# KiCad board hackrf-one.kicad_pcb (continued)
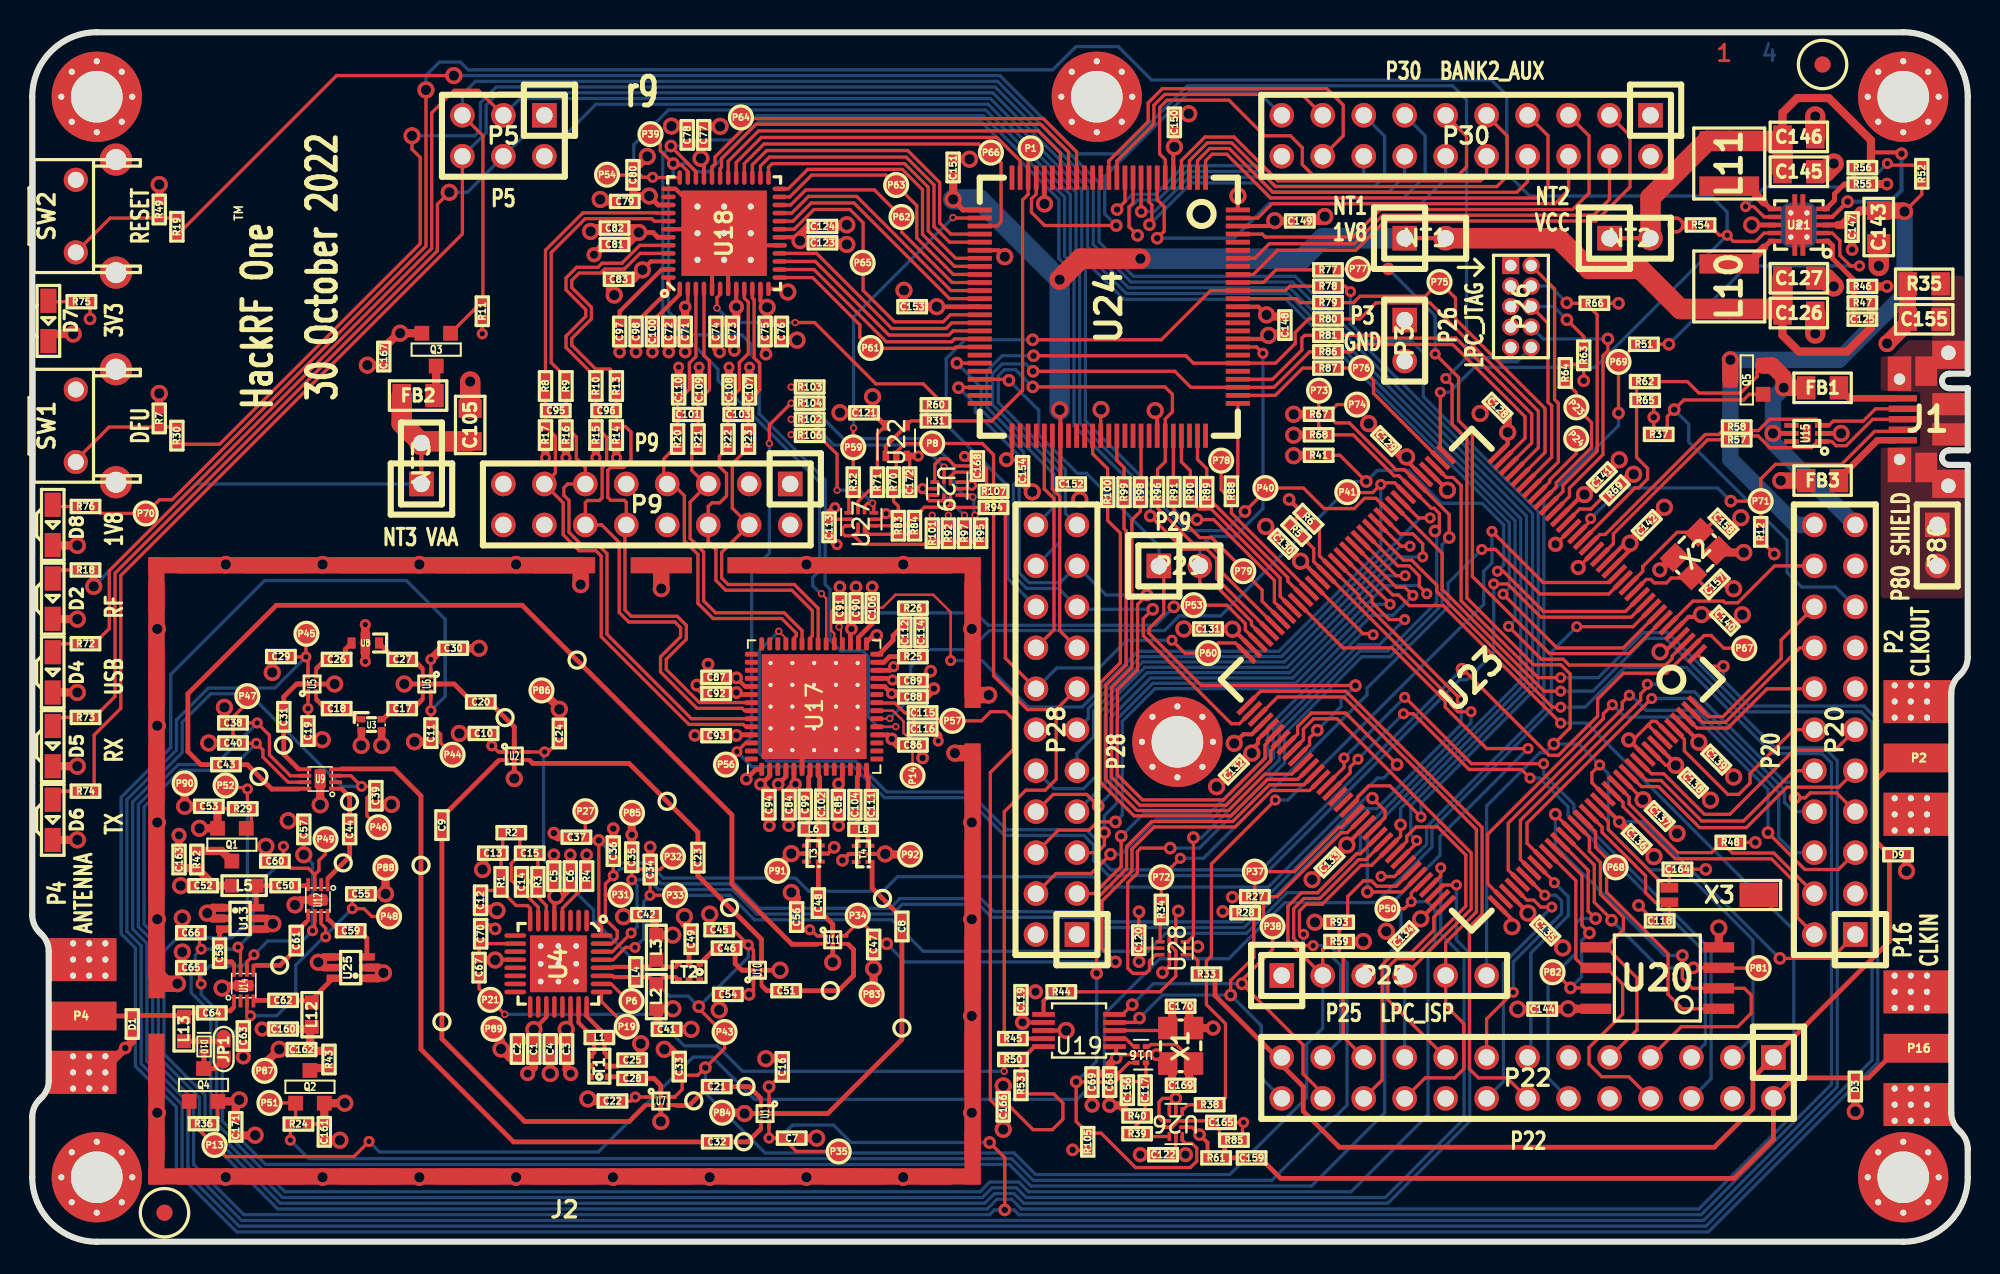
[diagram p0: board, top side]
## Nets (continued)
/Baseband/CPOUT+: C112.2 R25.1 U17.27
/Baseband/CPOUT-: C112.1 R26.1 U17.28
/Baseband/IA+: C101.1 C110.1 R20.1 U18.3
/Baseband/IA-: C101.2 C109.1 R21.1 U18.4
/Baseband/ID+: R13.1 U18.45
/Baseband/ID-: R10.1 U18.44
/Baseband/QA+: C103.2 C107.1 R23.1 U18.10
/Baseband/QA-: C103.1 C108.1 R22.1 U18.9
/Baseband/QD+: R8.1 U18.40
/Baseband/QD-: R9.1 U18.41
/Baseband/REFN: C98.1 U18.48
/Baseband/REFP: C100.1 U18.1
/Baseband/RXBBI+: P9.7 R22.2 U17.36
/Baseband/RXBBI-: P9.5 R23.2 U17.35
/Baseband/RXBBQ+: P9.6 R20.2 U17.38
/Baseband/RXBBQ-: P9.4 R21.2 U17.37
/Baseband/TXBBI+: C96.1 P9.12 R10.2 R15.1 U17.50
/Baseband/TXBBI-: C96.2 P9.10 R13.2 R14.1 U17.49
/Baseband/TXBBQ+: C95.2 P9.11 R9.2 R16.1 U17.51
/Baseband/TXBBQ-: C95.1 P9.13 R8.2 R17.1 U17.52
/Baseband/XCVR_CLKOUT: P14.1 U17.21
/Baseband/XTAL2: C115.2 C116.1 U17.22
/Clock/CLK0: R50.2 R53.2 U19.10
/Clock/CLK1: R45.2 U19.9
/Clock/CLK2: R44.1 U19.6
/Clock/XA: U16.4 U19.2
/Clock/XB: C170.2 U19.3 X1.3
/Front End/REF_IN: C67.2 C70.1 U4.10
/Front End/RX_AMP_IN: C58.1 U14.8
/Front End/RX_AMP_OUT: C50.2 U12.4
/Front End/TX_AMP_IN: C59.1 U12.8
/Front End/TX_AMP_OUT: C62.1 U14.4
/Microcontroller, CPLD, USB, Power/ADC0_0: P20.20 U23.6
/Microcontroller, CPLD, USB, Power/ADC0_2: P20.16 U23.143
/Microcontroller, CPLD, USB, Power/ADC0_5: P20.18 U23.144
/Microcontroller, CPLD, USB, Power/ADC0_6: P20.14 U23.142
/Microcontroller, CPLD, USB, Power/B1AUX13: P28.16 U24.55
/Microcontroller, CPLD, USB, Power/B1AUX14: P28.15 U24.56
/Microcontroller, CPLD, USB, Power/B2AUX1: P30.18 U24.13
/Microcontroller, CPLD, USB, Power/B2AUX2: P30.17 U24.12
/Microcontroller, CPLD, USB, Power/B2AUX3: P30.16 U24.11
/Microcontroller, CPLD, USB, Power/B2AUX4: P30.15 U24.10
/Microcontroller, CPLD, USB, Power/B2AUX5: P30.14 U24.9
/Microcontroller, CPLD, USB, Power/B2AUX6: P30.13 U24.8
/Microcontroller, CPLD, USB, Power/B2AUX7: P30.12 U24.7
/Microcontroller, CPLD, USB, Power/B2AUX8: P30.11 U24.6
/Microcontroller, CPLD, USB, Power/B2AUX9: P30.10 U24.4
/Microcontroller, CPLD, USB, Power/B2AUX10: P30.9 U24.3
/Microcontroller, CPLD, USB, Power/B2AUX11: P30.8 U24.2
/Microcontroller, CPLD, USB, Power/B2AUX12: P30.7 U24.1
/Microcontroller, CPLD, USB, Power/B2AUX13: P30.6 U24.99
/Microcontroller, CPLD, USB, Power/B2AUX14: P30.5 U24.97
/Microcontroller, CPLD, USB, Power/B2AUX15: P30.4 U24.94
/Microcontroller, CPLD, USB, Power/B2AUX16: P30.3 U24.92
/Microcontroller, CPLD, USB, Power/BANK2F3M1: R77.2 U24.91
/Microcontroller, CPLD, USB, Power/BANK2F3M2: P28.18 R78.2 U24.90
/Microcontroller, CPLD, USB, Power/BANK2F3M3: R79.2 U24.89
/Microcontroller, CPLD, USB, Power/BANK2F3M4: P28.22 R80.2 U24.81
/Microcontroller, CPLD, USB, Power/BANK2F3M5: R81.2 U24.79
/Microcontroller, CPLD, USB, Power/BANK2F3M6: P28.20 R86.2 U24.78
/Microcontroller, CPLD, USB, Power/BANK2F3M7: R87.2 U24.77
/Microcontroller, CPLD, USB, Power/BANK2F3M8: R88.2 U24.76
/Microcontroller, CPLD, USB, Power/BANK2F3M9: R89.2 U24.74
/Microcontroller, CPLD, USB, Power/BANK2F3M10: R90.2 U24.72
/Microcontroller, CPLD, USB, Power/BANK2F3M11: R91.2 U24.71
/Microcontroller, CPLD, USB, Power/BANK2F3M12: P28.21 R96.2 U24.70
/Microcontroller, CPLD, USB, Power/BANK2F3M14: R98.2 U24.67
/Microcontroller, CPLD, USB, Power/BANK2F3M15: R99.2 U24.64
/Microcontroller, CPLD, USB, Power/BANK2F3M16: R100.2 U24.61
/Microcontroller, CPLD, USB, Power/CPLD_TCK: P28.17 U23.74 U24.48
/Microcontroller, CPLD, USB, Power/CPLD_TDI: P28.19 U23.78 U24.45
/Microcontroller, CPLD, USB, Power/CPLD_TDO: P29.2 U23.69 U24.83
/Microcontroller, CPLD, USB, Power/CPLD_TMS: P29.1 U23.82 U24.47
/Microcontroller, CPLD, USB, Power/DBGEN: P23.1 R64.1 U23.28
/Microcontroller, CPLD, USB, Power/DM: R58.1 U23.20
/Microcontroller, CPLD, USB, Power/DP: R57.1 U23.18
/Microcontroller, CPLD, USB, Power/EN1V8: P70.1 R54.2 R76.2 U21.9 U23.37
/Microcontroller, CPLD, USB, Power/GCK0: P30.19 U24.22
/Microcontroller, CPLD, USB, Power/GPIO3_8: P20.5 U23.110
/Microcontroller, CPLD, USB, Power/GPIO3_9: P20.6 U23.113
/Microcontroller, CPLD, USB, Power/GPIO3_10: P20.7 U23.115
/Microcontroller, CPLD, USB, Power/GPIO3_11: P20.8 U23.117
/Microcontroller, CPLD, USB, Power/GPIO3_12: P20.9 U23.132
/Microcontroller, CPLD, USB, Power/GPIO3_13: P20.10 U23.133
/Microcontroller, CPLD, USB, Power/GPIO3_14: P20.11 U23.134
/Microcontroller, CPLD, USB, Power/GPIO3_15: P20.12 U23.140
/Microcontroller, CPLD, USB, Power/I2C1_SCL: P22.5 U23.88
/Microcontroller, CPLD, USB, Power/I2C1_SDA: P22.6 U23.87
/Microcontroller, CPLD, USB, Power/I2S0_RX_MCLK: P22.14 U23.73
/Microcontroller, CPLD, USB, Power/I2S0_RX_SCK: P22.12 U23.120
/Microcontroller, CPLD, USB, Power/I2S0_RX_SDA: P22.13 U23.116
/Microcontroller, CPLD, USB, Power/I2S0_RX_WS: P22.15 U23.114
/Microcontroller, CPLD, USB, Power/I2S0_TX_MCLK: P22.17 U23.99
/Microcontroller, CPLD, USB, Power/I2S0_TX_SCK: P22.16 U23.112
/Microcontroller, CPLD, USB, Power/ID: J1.4 P71.1 R12.2 U23.22
/Microcontroller, CPLD, USB, Power/LED1: P5.3 R72.2 U23.3
/Microcontroller, CPLD, USB, Power/LED2: P5.4 R73.2 U23.8
/Microcontroller, CPLD, USB, Power/LED3: P5.6 R74.2 U23.103
/Microcontroller, CPLD, USB, Power/P2_8: P22.23 R30.1 U23.98
/Microcontroller, CPLD, USB, Power/P2_9: P22.21 R93.1 U23.102
/Microcontroller, CPLD, USB, Power/P2_13: P22.22 U23.108
/Microcontroller, CPLD, USB, Power/REG_OUT1: C145.2 C146.2 L11.1 NT2.2 R56.1 U21.4
/Microcontroller, CPLD, USB, Power/REG_OUT2: C125.1 C126.1 C127.1 L10.2 NT1.2 R47.1
/Microcontroller, CPLD, USB, Power/RESET: P22.3 P25.6 P26.10 R19.1 U23.128
/Microcontroller, CPLD, USB, Power/RREF: R69.1 U23.24
/Microcontroller, CPLD, USB, Power/RTC_ALARM: P20.2 U23.129
/Microcontroller, CPLD, USB, Power/RTCX1: C118.1 U23.125 X3.2
/Microcontroller, CPLD, USB, Power/RTCX2: C164.1 U23.126 X3.1
/Microcontroller, CPLD, USB, Power/SD_CD: P28.3 U23.60
/Microcontroller, CPLD, USB, Power/SD_CLK: P28.11 U23.45
/Microcontroller, CPLD, USB, Power/SD_CMD: P28.9 U23.49
/Microcontroller, CPLD, USB, Power/SD_DAT0: P28.7 U23.52
/Microcontroller, CPLD, USB, Power/SD_DAT1: P28.6 U23.53
/Microcontroller, CPLD, USB, Power/SD_DAT2: P28.5 U23.55
/Microcontroller, CPLD, USB, Power/SD_DAT3: P28.4 U23.56
/Microcontroller, CPLD, USB, Power/SD_POW: P28.10 U23.48
/Microcontroller, CPLD, USB, Power/SD_VOLT0: P28.8 U23.51
/Microcontroller, CPLD, USB, Power/SGPIO0: P75.1 R79.1 U23.32
/Microcontroller, CPLD, USB, Power/SGPIO1: R81.1 U23.34
/Microcontroller, CPLD, USB, Power/SGPIO2: R89.1 U23.62
/Microcontroller, CPLD, USB, Power/SGPIO3: R90.1 U23.64
/Microcontroller, CPLD, USB, Power/SGPIO4: R98.1 U23.79
/Microcontroller, CPLD, USB, Power/SGPIO5: R99.1 U23.83
/Microcontroller, CPLD, USB, Power/SGPIO6: R100.1 U23.84
/Microcontroller, CPLD, USB, Power/SGPIO7: P76.1 R87.1 U23.38
/Microcontroller, CPLD, USB, Power/SGPIO9: P77.1 R77.1 U23.7
/Microcontroller, CPLD, USB, Power/SGPIO10: P78.1 R88.1 U23.61
/Microcontroller, CPLD, USB, Power/SGPIO11: P79.1 R91.1 U23.66
/Microcontroller, CPLD, USB, Power/SGPIO12: R96.1 U23.67
/Microcontroller, CPLD, USB, Power/SGPIO14: R80.1 U23.33
/Microcontroller, CPLD, USB, Power/SGPIO15: R86.1 U23.35
/Microcontroller, CPLD, USB, Power/SPIFI_CIPO: P22.7 U20.2 U23.122
/Microcontroller, CPLD, USB, Power/SPIFI_COPI: P22.9 U20.5 U23.123
/Microcontroller, CPLD, USB, Power/SPIFI_CS: P68.1 U20.1 U23.124
/Microcontroller, CPLD, USB, Power/SPIFI_SCK: P22.8 U20.6 U23.118
/Microcontroller, CPLD, USB, Power/SPIFI_SIO2: P81.1 U20.3 U23.121
/Microcontroller, CPLD, USB, Power/SPIFI_SIO3: P82.1 U20.7 U23.119
/Microcontroller, CPLD, USB, Power/TCK: P26.4 R66.2 U23.27
/Microcontroller, CPLD, USB, Power/TDI: P26.8 U23.26
/Microcontroller, CPLD, USB, Power/TDO: P26.6 R63.1 U23.31
/Microcontroller, CPLD, USB, Power/TMS: P26.2 U23.30
/Microcontroller, CPLD, USB, Power/TRIGGER_EN: R78.1 U23.91
/Microcontroller, CPLD, USB, Power/TRST: P24.1 U23.29
/Microcontroller, CPLD, USB, Power/U0_RXD: P22.19 P25.4 U23.81
/Microcontroller, CPLD, USB, Power/U0_TXD: P22.20 P25.5 U23.75
/Microcontroller, CPLD, USB, Power/USB_SHIELD: C155.1 J1.0 P80.1 P80.2 R35.1
/Microcontroller, CPLD, USB, Power/VREGMODE: P69.1 R51.2 U23.101
/Microcontroller, CPLD, USB, Power/WAKEUP: P20.4 R48.2 U23.130
/Microcontroller, CPLD, USB, Power/XTAL1: C157.1 U23.12 X2.1
/Microcontroller, CPLD, USB, Power/XTAL2: C158.1 U23.13 X2.3
AD_CLK: R60.1 U18.6
AMP_BYPASS: C57.1 C65.2 P50.1 U12.6 U14.6 U23.104
CLKIN: C159.1 D3.2 P16.1 P22.2
CLKIN_DETECT: R38.2 U23.15
CLKIN_EN: R105.1 U16.6 U23.85 U26.10
CLKOUT: D9.2 P2.1 P22.1 P22.25 R33.1
CLKOUT_EN: P73.1 R68.1 U23.43 U28.5
CS_AD: P54.1 U18.36 U23.65
CS_XCVR: P53.1 U17.32 U23.70
DA0: P61.1 U18.13 U24.43
DA1: U18.14 U24.42
DA2: U18.15 U24.41
DA3: U18.16 U24.40
DA4: P65.1 U18.19 U24.39
DA5: U18.20 U24.37
DA6: U18.21 U24.36
DA7: P62.1 U18.22 U24.35
DD0: P63.1 U18.23 U24.34
DD1: U18.24 U24.33
DD2: U18.25 U24.32
DD3: U18.26 U24.30
DD4: U18.27 U24.29
DD5: P66.1 U18.28 U24.28
DD6: U18.29 U24.24
DD7: U18.30 U24.19
DD8: U18.31 U24.18
DD9: P64.1 U18.32 U24.17
FSX2_CLK: P8.1 P28.13 R45.1 R70.2 U22.2
GCK1: P1.1 R31.1 U24.23
GCK2: P59.1 R32.1 U24.27
HP: C11.2 P44.1 U6.5 U23.1
LP: C29.1 P45.1 U5.5 U23.39
MCU_CLK: P72.1 R34.1 U23.14
MCU_CLK_EN: P74.1 R67.1 U23.42 U28.10
MIX_BYPASS: C47.2 P34.1 U11.5 U23.86
MIX_CLK: C67.1 P21.1 R50.1
MIXER_ENX: C35.1 P32.1 R6.2 U4.30 U23.57
MIXER_RESETX: C34.1 P33.1 R5.2 U4.29 U23.58
MIXER_SCLK: C36.1 P31.1 U4.31 U23.95
MIXER_SDATA: C37.1 P27.1 U4.32 U23.80
RSSI: P67.1 U17.39 U23.2
RX: C24.2 C33.1 C45.2 P25.2 P43.1 R59.2 U2.5 U7.5 U10.5 U23.96
RX_AMP: C60.2 C66.2 P49.1 U12.3 U14.7 U23.105
RX_IF: C48.2 T3.1
RX_MIX_BP: C40.2 P47.1 U9.7 U23.54
SCL: P22.26 P37.1 R28.2 U19.4 U23.92
SDA: P22.24 P38.1 R27.2 U19.5 U23.93
SGPIO_CLK: P28.14 P60.1 R94.1 R107.1 U23.72
SSP1_CIPO: P41.1 U17.33 U23.44
SSP1_COPI: P40.1 U17.34 U18.34 U23.47
SSP1_SCK: P39.1 U17.19 U18.35 U23.68
TX_AMP: C55.1 C63.1 P48.1 U12.7 U14.3 U23.63
TX_IF: C8.1 T4.1
TX_MIX_BP: C39.2 P46.1 U9.3 U23.46
VAA: C1.1 C2.1 C3.1 C4.1 C5.1 C6.1 C10.2 C16.1 C19.2 C22.2 C30.1 C41.1 C42.1 C53.1 C54.1 C56.1 C71.1 C72.1 C73.1 C74.1 C75.1 C76.1 C77.1 C78.1 C79.1 C80.1 C81.1 C82.1 C83.1 C84.1 C85.1 C86.1 C87.1 C88.1 C89.1 C90.1 C91.1 C92.1 C93.1 C94.1 C161.1 C166.1 C171.1 L2.2 L3.2 NT3.1 Q1.2 Q2.2 Q4.2 R18.2 R24.2 R29.1 R36.2 U1.1 U2.1 U4.5 U4.19 U4.22 U5.1 U6.1 U7.1 U10.1 U11.1 U17.2 U17.5 U17.11 U17.18 U17.24 U17.25 U17.31 U17.47 U17.48 U17.53 U18.2 U18.8 U18.11 U18.33 U18.39 U18.43 U18.46
XCVR_CLK: C115.1 P57.1 R53.1
XCVR_EN: R41.2 U17.20 U23.11
XCVR_RXTX: P56.1 R97.2 R104.2 U17.54 U23.10 U29.2
Net-(C8-Pad2): C8.2 U1.6
Net-(C9-Pad1): C9.1 U7.2
Net-(C9-Pad2): C9.2 U2.2
Net-(C12-Pad1): C12.1 R1.2 U4.8
Net-(C13-Pad1): C13.1 R1.1 R2.2
Net-(C14-Pad1): C14.1 C15.1 R2.1 U4.7
Net-(C14-Pad2): C14.2 R3.1 U4.6
Net-(C15-Pad2): C15.2 R3.2
Net-(C17-Pad1): C17.1 U3.4
Net-(C17-Pad2): C17.2 U6.4
Net-(C18-Pad1): C18.1 U5.2
Net-(C18-Pad2): C18.2 U3.1
Net-(C20-Pad1): C20.1 U6.6
Net-(C20-Pad2): C20.2 U2.6
Net-(C21-Pad1): C21.1 U1.2
Net-(C21-Pad2): C21.2 U7.4
Net-(C23-Pad1): C23.1 U10.4
Net-(C23-Pad2): C23.2 U2.4
Net-(C25-Pad1): C25.1 T1.2
Net-(C26-Pad1): C26.1 U8.3
Net-(C26-Pad2): C26.2 U5.4
Net-(C27-Pad1): C27.1 U8.1
Net-(C27-Pad2): C27.2 U6.2
Net-(C28-Pad1): C28.1 T1.1
Net-(C28-Pad2): C28.2 U7.6
Net-(C31-Pad1): C31.1 U9.5
Net-(C31-Pad2): C31.2 U5.6
Net-(C32-Pad1): C32.1 U1.4
Net-(C32-Pad2): C32.2 U9.4
Net-(C43-Pad1): C43.1 U9.8
Net-(C43-Pad2): C43.2 U11.2
Net-(C44-Pad1): C44.1 U12.1
Net-(C44-Pad2): C44.2 U9.1
Net-(C46-Pad1): C46.1 U10.6
Net-(C46-Pad2): C46.2 T2.1
Net-(C48-Pad1): C48.1 U11.6
Net-(C49-Pad2): C49.2 T2.2
Net-(C50-Pad1): C50.1 L5.2 U13.6
Net-(C51-Pad1): C51.1 U11.4
Net-(C51-Pad2): C51.2 U10.2
Net-(C58-Pad2): C58.2 U13.3
Net-(C59-Pad2): C59.2 U25.3
Net-(C61-Pad1): C61.1 U14.5
Net-(C61-Pad2): C61.2 U12.5
Net-(C62-Pad2): C62.2 L12.2 U25.6
Net-(C64-Pad1): C64.1 U14.1
Net-(C64-Pad2): C64.2 D1.2 L13.2 P4.1
Net-(C99-Pad1): C99.1 U17.7
Net-(C99-Pad2): C99.2 L6.1 T3.4
Net-(C102-Pad1): C102.1 U17.8
Net-(C102-Pad2): C102.2 L6.2 T3.3
Net-(C104-Pad1): C104.1 U17.13
Net-(C104-Pad2): C104.2 L8.1 T4.4
Net-(C105-Pad1): C105.1 FB2.2 NT3.2
Net-(C106-Pad1): C106.1 U17.30
Net-(C111-Pad1): C111.1 U17.14
Net-(C111-Pad2): C111.2 L8.2 T4.3
Net-(C114-Pad1): C114.1 R26.2
Net-(C114-Pad2): C114.2 R25.2
Net-(C117-Pad1): C117.1 R39.1 R40.2
Net-(C117-Pad2): C117.2 C156.1 U16.1
Net-(C125-Pad2): C125.2 R46.2 R47.2 U21.1
Net-(C159-Pad2): C159.2 C165.1 R61.2 R85.1 U26.2 U26.7
Net-(C160-Pad1): C160.1 C162.2 L12.1 R43.2
Net-(C163-Pad2): C52.1 C163.2 L5.1 R42.1
Net-(C169-Pad2): C169.2 U16.3 X1.1
Net-(C172-Pad2): C172.2 R70.1 R71.1 R83.2 U27.7
Net-(D2-Pad2): D2.2 R18.1
Net-(D4-Pad2): D4.2 R72.1
Net-(D5-Pad2): D5.2 R73.1
Net-(D6-Pad2): D6.2 R74.1
Net-(D7-Pad2): D7.2 R75.1
Net-(D8-Pad2): D8.2 R76.1
Net-(D10-Pad1): D10.1 JP1.1 L13.1
Net-(D10-Pad2): D10.2 JP1.2 Q4.3
Net-(FB1-Pad1): FB1.1 J1.1
Net-(FB2-Pad1): FB2.1 Q3.3
Net-(FB3-Pad1): FB3.1 J1.5
Net-(J1-Pad2): J1.2 R58.2 U15.3
Net-(J1-Pad3): J1.3 R57.2 U15.1
Net-(L1-Pad1): L1.1 T1.4 U4.23
Net-(L1-Pad2): L1.2 T1.3 U4.24
Net-(L2-Pad1): L2.1 L4.2 T2.4 U4.27
Net-(L3-Pad1): L3.1 L4.1 T2.3 U4.28
Net-(L10-Pad1): L10.1 U21.10
Net-(L11-Pad2): L11.2 U21.6
Net-(P6-Pad1): P6.1 U4.26
Net-(P19-Pad1): P19.1 U4.25
Net-(Q1-Pad3): Q1.3 R42.2
Net-(Q2-Pad3): Q2.3 R43.1
Net-(R4-Pad2): R4.2 U4.4
Net-(R19-Pad2): R19.2 R49.2 SW2.2
Net-(R30-Pad2): R7.1 R30.2 SW1.2
Net-(R31-Pad2): R31.2 R60.2 U22.1 U22.4
Net-(R32-Pad2): R32.2 U27.8
Net-(R33-Pad2): R33.2 U28.3
Net-(R34-Pad2): R34.2 U28.8
Net-(R38-Pad1): R38.1 U26.3
Net-(R39-Pad2): R39.2 U26.8
Net-(R44-Pad2): R44.2 U28.2 U28.7
Net-(R51-Pad1): R51.1 U21.2
Net-(R52-Pad2): R52.2 U21.7
Net-(R55-Pad2): R55.2 R56.2 U21.5
Net-(R83-Pad1): R83.1 R84.1 U27.2
Net-(R84-Pad2): R84.2 R94.2 U27.3 U29.7
Net-(R101-Pad1): R92.1 R95.1 R97.1 R101.1 U27.1 U27.10
Net-(R102-Pad1): R102.1 R103.1 R104.1 R106.2 U27.5 U27.6
Net-(R103-Pad2): R95.2 R103.2 U29.8
Net-(R107-Pad2): R107.2 U29.3

Pads without a net: P25 3; P26 7; T1 5 6; T2 5 6; T3 6; T4 6; U4 1 2 3 9 11 13 14 15 16 17 18 20 21; U9 2; U12 2; U14 2; U15 0 4 6; U17 3 9 10 12 15 16 17 23 40 41 42 43 44 45 46 55 56; U18 38; U23 89 90; U24 14 15 16 20 25 44 46 49 50 52 53 54 58 59 60 63 65 66 68 73 75 80 82 85 86 87 93 95 96; X3 0

## Via types
v1: diameter 0.686, hole 0.33, C1F to C4B, 117 vias
v2: diameter 0.787, hole 0.406, C1F to C4B, 143 vias
v3: diameter 1.067, hole 0.635, C1F to C4B, 210 vias
v4: diameter 0.457, hole 0.254, C1F to C4B, 24 vias
v5: diameter 0.94, hole 0.508, C1F to C4B, 19 vias

## Routing (per net, layer and track width the routed paths; a pad name or vN(x,y) marks a point on that pad's centre or on a via; arc(x,y) is an arc through that point)
+1V8: length 47.3
  C1F w0.254: v3(63.7,51.59) 63.75,51.54 U24.57 63.75,47.12 C152.1
  C1F w0.305: v3(57.09,64.64) 57.7,63.98 U24.26
  C1F w0.508: C151.1 v3(57.09,64.64)
  C1F w1.27: v3(63.7,59.66) 65,60.96 v3(68.71,60.96)
  C4B w0.254: v3(63.7,51.59) 63.7,51.59
  C4B w1.27: v3(68.71,60.96) 78.74,60.96 80.01,62.23 NT1.1 ; 63.7,51.59 v3(63.7,59.66) 58.72,64.64 v3(57.09,64.64)
/Microcontroller, CPLD, USB, Power/VBAT: length 21.5
  C1F w0.203: v2(108.35,17.57) 111.55,17.57 P20.1
  C1F w0.254: v2(98.39,26.04) 98.39,26.07 U23.127
  C1F w0.508: C136.1 v2(98.39,26.04)
  C4B w0.203: v2(108.35,17.57) 108.34,17.57 99.87,26.04 v2(98.39,26.04)
/Microcontroller, CPLD, USB, Power/VBUS: length 23.7
  C1F w0.203: Q5.2 106.93,53.95 106.93,53.64 105.92,52.63 103.33,52.63 102.62,53.34 R62.2
  C1F w0.305: v3(107.93,50.12) U15.5
  C1F w1.016: FB1.2 108.59,52.95 v3(108.59,52.96) 108.59,53.62 107.87,54.33 Q5.2
  C4B w1.016: v3(108.59,52.96) 107.93,52.3 v3(107.93,50.12) 107.93,49.56 P20.21
/Microcontroller, CPLD, USB, Power/VBUS_DETECT: length 11.9
  C1F w0.203: R62.1 99.47,53.31 R65.2 99.47,48.64 100.15,47.96 100.15,47.3 99.59,46.74 99.36,46.74 U23.21
/Microcontroller, CPLD, USB, Power/VBUSCTRL: length 25.7
  C1F w0.203: R37.2 101.37,51.17 v2(101.8,51.6) 102.4,52.2 106.1,52.2 106.45,52.55 Q5.1
  C4B w0.203: P20.17 111.8,40.6 109.7,40.6 108.8,41.5 108.8,43.5 102.7,49.6 102.7,50.7 v2(101.8,51.6)
/Microcontroller, CPLD, USB, Power/VIN: length 39.6
  C1F w0.203: v3(116.08,63.88) 117.15,64.95 R52.1
  C1F w0.305: 111.03,63.05 111.94,63.05
  C1F w0.508: C143.1 113.31,63.94 C147.1 112.6,63.46 112.2,63.05 111.94,63.05
  C1F w1.016: v3(116.08,63.88) 116.02,63.94 C143.1 ; v3(105.28,54.69) Q5.3
  C4B w1.016: P20.22 109.35,44.45 105.28,48.52 v3(105.28,54.69) 112.01,54.69 116.08,58.76 v3(116.08,63.88)
GND: length 581.9
  C1F w0.203: v2(103.76,23.09) 103.75,23.1 C164.2 ; v2(99.59,20.85) 100.37,20.08 C118.2 ; R37.1 100.53,50.29 v2(100.53,51.13) R65.1 ; 70.32,7.5 70.03,7.5 69.86,7.67 69.86,8.67 70.08,8.89 v2(70.9,8.89) ; U23.138 100.2,32.04 100.2,32.06 ; 55.51,46.3 55.2,46.61 v1(55.2,46.7) U29.4 ; 55.51,46.3 55.51,46.06 55.62,45.95 56.41,45.95 56.53,46.07 U29.6 ; 55.51,46.3 U29.5 ; 24.01,34.59 v3(23.06,34.59) ; 42.65,62.79 U18.0 ; U23.23 94.46,43.25 v5(94.44,43.25) ; U27.4 52.59,44.8 v1(52.94,45.15) ; U26.5 70.5,8.49 v2(70.9,8.89) ; R105.2 64.53,5.67 v2(64.5,5.7) ; v2(68.62,20.46) 68.6,20.44 C120.2 ; 38.97,8.28 v3(38.97,7.46) ; U28.4 72.17,18.2 v2(72.27,18.3) ; U24.62 66.25,51.59 v3(66.26,51.61) ; 17.8,34.59 v3(18.74,34.59) ; U26.4 v2(70.9,8.89) ; 100.2,32.06 100.41,32.27 100.67,32.27 U23.139 ; 100.2,32.06 99.26,31.12 v5(98.98,31.12) ; v2(28.7,19.4) 28.47,19.63 C70.2 ; R106.1 47.1,50 v4(47.05,50.05) ; 45.41,16.84 v3(46.36,16.84) ; v3(44.16,7.95) 44.98,7.95 ; C165.2 v1(75.1,7.4) 75.03,7.33 R85.2 ; 49.63,18.28 v3(49.63,17.33) ; 29.89,29.67 v3(29.89,28.72) ; R101.2 v4(55.8,45.05) ; C172.1 54.4,48.55 U22.3 ; U23.19 v5(95.85,41.81)
  C1F w0.254: v3(28.7,17.47) 28.71,17.49 U4.12 ; v3(74.52,30.9) 75.09,31.47 75.61,31.47 U23.76 ; v3(74.75,64.86) 74.75,64.85 U24.100 ; v3(69.62,51.54) 69.75,51.41 U24.69 ; U18.0 42.15,61.79 U18.5 ; U18.0 42.64,62.54 39.89,65.29 39.45,65.29 ; U18.0 43.64,61.79 46.34,61.79 ; U18.0 43.14,62.29 43.14,59.09 ; v3(87.74,46.6) 87.74,46.62 U23.40 ; v3(100.92,36.58) 101.22,36.58 U23.4 ; v5(98.98,31.12) 98.99,31.12 U23.135 ; U19.8 v3(64.1,13.1) ; U18.12 46.65,59.09 v3(46.85,58.89) ; v3(47.06,24.07) T3.5 ; T3.2 49.33,24.07 v2(49.72,24.46) ; v3(76.65,56.2) 76.43,55.98 U24.84 ; U18.42 42.65,62.79 ; C119.2 62.17,15.53 v5(62.2,15.5) ; U16.2 v2(69.7,11.6) ; v3(60.29,61.08) 59.89,61.48 U24.31 ; v2(50.23,23.65) 50.63,24.05 T4.5 ; v3(91.74,19.54) 91.74,19.98 U23.109 ; v3(52.88,24.05) T4.2
  C1F w0.293: U17.29 51.72,37.19 52.14,37.6 v2(52.36,37.6) ; v1(53.41,35.66) 53.18,35.43 U17.26 ; U17.1 44.87,29.29 v2(44.27,28.69) ; U17.0 47.72,32.43 U17.6 ; U17.4 46.72,28.84 v2(46.25,28.37)
  C1F w0.305: v3(62.76,64.36) 62.75,64.37 U24.21 ; U15.2 v3(112.15,50.12) ; 108.03,63.05 v3(106.61,63.05)
  C1F w0.406: v1(54.93,48.72) 54.92,48.73 U22.3
  C1F w0.457: U12.0 16.59,21.19 v3(16.29,20.89) ; U13.5 14.59,20.05 v3(14.92,19.72) 14.59,19.39 U13.4 ; U3.2 20.41,30.79 v3(20.4,30.78) ; v3(21.67,30.78) 21.66,30.79 U3.3 ; U14.0 11.92,15.88 v3(11.77,15.73) ; U25.5 18.07,17 v3(17.74,17.33) 18.07,17.66 U25.4
  C1F w0.508: v3(19.07,6.29) 19.06,6.28 C161.2 ; v3(14.88,35.3) 14.88,36.28 C29.2 ; v3(47.06,21.66) 47.39,21.33 C56.2 ; v3(42.01,20.31) 42.01,19.4 C45.1 ; v3(40.43,20.16) 40.43,19.71 C49.1 ; v2(45.49,55.04) 45.44,55.1 C75.2 ; v1(36.22,48.62) 36.22,48.62 R14.2 ; v3(79.35,22.45) 80.04,23.15 C133.2 ; v3(78.21,50.01) 78.23,50.04 R68.2 ; v3(80.14,63.58) 79.86,63.3 C149.2 ; v3(78.21,48.74) 78.23,48.77 R41.1 ; v3(83.95,19.25) 84.63,18.57 C134.2 ; v3(2.54,56.29) 1.02,56.29 1.02,56.28 ; v3(2.79,34.06) 1.28,34.06 D4.1 ; v3(2.79,29.49) 1.28,29.49 D5.1 ; v3(2.79,24.92) 1.28,24.92 D6.1 ; v3(2.79,43.18) 1.29,43.18 D8.1 ; v3(2.79,38.61) 1.29,38.61 D2.1 ; v3(39.19,11.93) 39.58,11.93 C33.2 ; v3(42.65,69.16) 42.64,69.17 C77.2 ; v3(50.5,63.06) 50.4,62.96 C124.2 ; v3(34.62,62.65) 34.83,62.86 C82.2 ; v3(36.08,58.7) 35.82,58.96 C83.2 ; v3(52.88,24.05) 52.92,24.02 54.4,24.02 ; v3(47.06,24.07) 46.19,23.2 P91.1 ; v3(44.16,7.95) 44.11,8 P84.1 ; P87.1 14.4,11.02 v3(15.31,11.93) 15.32,11.92 C162.1 ; C166.2 v3(60.2,6.97) ; C94.2 45.67,25.82 v2(45.7,25.8) ; v3(36.66,20.16) 36.79,20.28 C42.2 ; C106.2 v2(52.08,40.6) ; v1(49.9,43.23) 49.4,43.73 C113.2 ; v3(76.65,56.2) 76.75,56.31 C148.2 ; C88.2 55.38,33.78 v2(55.9,34.3) ; v3(14.48,24.52) 14.51,24.49 C60.1 ; C98.2 v2(37.43,55.17) ; C121.2 50.09,51.4 v3(50.08,51.41) ; C135.2 v3(94.89,18.22) ; v2(39.47,55.17) C72.2 C71.2 v2(40.48,55.17) ; R69.2 99.11,47.59 v3(99.29,47.59) ; v3(106.11,42.74) 104.61,42.74 X2.2 ; C10.1 v3(26.48,31.52) ; C90.2 v2(51.08,40.6) ; C131.2 v3(71.4,38) ; v5(34.83,61.2) 35.47,61.84 C81.2 ; v1(56.17,31.05) 56.17,31.36 C116.2 ; R7.2 v3(7.87,52.6) ; C79.2 35.34,64.51 v3(35.21,64.63) ; v3(13.82,6.61) 13.8,6.59 C171.2 ; C54.2 v3(42.59,14.37) ; C52.2 v3(9.2,22.08) ; C87.2 41.87,35.78 v2(41.9,35.82) ; v2(55.7,35.38) 55.13,34.82 C89.2 ; v5(65.71,8.47) 65.7,8.48 C69.2 ; C78.2 39.64,69.17 v3(39.63,69.18) ; P85.1 37.17,26.58 v2(37.17,25.24) C35.2 ; C80.2 37.52,66.69 v3(38.13,67.3) ; C91.2 v2(50.08,40.6) ; C34.2 v2(38.31,24.48) ; C170.1 71.73,13.52 X1.2 v5(73.21,13.25) ; v3(34.45,8.85) 34.58,8.73 C22.1 ; C16.2 45.51,11.38 v3(45.48,11.35) ; C6.2 v2(33.36,23.99) ; U25.1 21.44,16.34 v3(21.77,16.67) 21.44,17 U25.2 ; v2(55.2,30) 55.13,30.07 C86.2 ; C140.2 106.02,38.84 v3(106.02,38.88) ; C92.2 41.72,34 v2(41.2,34.52) ; C168.2 57.87,48.63 v1(57.8,48.7) ; v3(27.92,23.08) 28.02,23.18 C13.2 ; C154.2 61.4,47.1 v3(62,46.5) ; D3.1 v3(113.03,8.08) ; C68.2 v5(66.8,8.46) 67.49,8.46 ; R16.2 v1(33.09,48.62) ; C130.2 v3(76.48,44.36) ; v2(32.34,25.34) 32.59,25.09 C37.2 ; v5(33.38,10.43) 33.13,10.68 C3.2 ; C41.2 v3(40.85,13.17) ; v1(20.65,38.27) U8.2 v1(20.65,37.13) ; C55.2 v3(21.9,21.57) 21.9,23.18 P88.1 ; P90.1 v3(9.45,27) C53.2 ; C19.1 v3(17.98,31.13) ; v3(54.05,59) 54.02,58.97 C153.2 ; v5(100.9,41.66) 101.68,42.44 X2.4 ; C57.2 v3(15.87,26.11) ; C39.1 v3(22.27,27.12) ; C84.2 46.92,25.82 v2(46.9,25.8) ; C36.2 v2(36.02,25.62) ; U13.2 11.18,20.05 v3(10.85,20.38) 11.18,20.71 U13.1 ; R4.1 v2(34.37,23.99) ; C142.2 v3(101.19,45.54) ; C139.2 v3(105.48,28.82) ; C108.2 v1(43.2,54.23) ; C7.1 v3(48.63,6.42) ; C129.2 v3(82.85,50.73) ; C123.2 50.4,61.94 v3(50.5,61.84) ; C25.2 v3(37.73,12.28) ; C38.1 v3(11.91,33.14) ; C147.2 v2(112.83,61.52) ; X1.4 70.67,10.78 C169.1 ; C158.2 105.93,44.86 v3(105.93,44.9) ; C30.2 v3(27.7,36.8) ; C132.2 v3(73.43,28.22) ; U9.0 v3(17.85,27.1) ; R55.1 v2(114.99,65.59) ; v2(50,25.8) 49.97,25.82 C85.2 ; v2(41.09,31.41) 41.11,31.38 C93.2 ; C2.2 29.6,11.42 v3(29.06,11.95) 29.06,12.44 28.6,12.9 P89.1 ; C144.2 v3(92.1,14.42) ; C100.2 v2(38.45,55.17) ; U20.4 v3(104.57,19.45) ; C163.1 v5(9.1,25.2) ; C66.1 v3(9.3,20.07) ; C109.2 v1(41.35,54.23) ; C73.2 43.4,55.4 v2(43.53,55.27) ; C150.2 v3(71.7,69.95) ; C40.1 v3(10.95,30.93) ; C65.1 v3(9.3,17.97) ; R54.1 v3(101.91,63.05) ; 3.12,10.51 4.26,10.51 v2(5.77,12.02) 6.2,12.45 D1.1 ; 67.49,8.46 C156.2 ; 67.49,8.46 67.49,8.43 67.97,7.96 R40.1 ; C74.2 42.39,55.4 v2(42.62,55.17) ; C97.2 v2(36.42,55.17) ; C47.1 v3(52.17,16.94) 52.17,15.46 P83.1 ; R93.2 v3(79.53,19.81) ; C1.2 31.1,10.81 v5(30.72,10.43) ; v3(89.77,51.36) 89.77,51.4 C128.2 ; C63.2 v5(13.09,11.46) ; v3(58.11,67.13) 58.08,67.15 C151.2 ; C141.2 v3(98.39,48.49) ; C122.2 v5(68.7,5.4) ; R15.2 v1(34.95,48.62) ; C11.1 v3(23.7,31) ; C167.2 v3(20.78,54.36) ; C157.2 105.34,40.5 v3(105.48,40.5) ; R17.2 v1(31.82,48.62) ; C160.2 v5(14.26,13.19) ; R46.1 v2(114.99,59.24) ; C24.1 v3(32.68,33.02) 32.68,33.08 P86.1 ; D9.1 116.21,22.99 ; v3(28.81,20.54) 28.71,20.64 C12.2 ; C5.2 v2(32.34,23.99) ; C137.2 v3(101.98,25.32) ; C76.2 v3(47.42,55.91) ; C4.2 v3(32.11,10.43) ; C152.2 v3(64.95,46.02) ; U8.4 v1(20.65,35.98) ; C136.2 v3(100.54,23.88) ; C110.2 v1(40.08,54.23) ; C107.2 v1(44.47,54.23) ; C138.2 v3(104.05,27.38)
  C1F w1.016: v3(34,40.75) 34,41.9 34.05,41.95 J2.0 30.05,41.95 v3(30,42) 29.95,41.95 J2.0 24.05,41.95 v3(24,42) 23.95,41.95 J2.0 18.05,41.95 v3(18,42) 17.95,41.95 J2.0 12.05,41.95 v3(12,42) 11.95,41.95 J2.0 ; v3(9,16) 8.25,16 7.7,16.55 J2.0 7.7,19.95 v3(7.75,20) 7.7,20.05 J2.0 7.7,25.95 v3(7.75,26) 7.7,26.05 J2.0 7.7,31.95 v3(7.75,32) 7.7,32.05 J2.0 7.7,37.95 v3(7.75,38) 7.7,38.05 J2.0 ; v3(108.41,47.19) 108.41,47.2 FB3.2 ; v3(115,55.7) 116.28,56.98 C155.2 R35.2 ; v3(57.2,30.3) 58.1,30.3 58.3,30.1 J2.0 58.3,26.05 v3(58.25,26) 58.3,25.95 J2.0 58.3,20.05 v3(58.25,20) 58.3,19.95 J2.0 58.3,14.05 v3(58.25,14) 58.3,13.95 J2.0 58.3,8.05 v3(58.25,8) 58.3,7.95 J2.0 ; J2.0 7.7,8.05 v3(7.75,8) 7.7,7.95 J2.0 ; J2.0 54.05,4.05 v3(54,4) 53.95,4.05 J2.0 48.05,4.05 v3(48,4) 47.95,4.05 J2.0 42.05,4.05 v3(42,4) 41.95,4.05 J2.0 36.05,4.05 v3(36,4) 35.95,4.05 J2.0 30.05,4.05 v3(30,4) 29.95,4.05 J2.0 24.05,4.05 v3(24,4) 23.95,4.05 J2.0 18.05,4.05 v3(18,4) 17.95,4.05 J2.0 12.05,4.05 v3(12,4) 11.95,4.05 J2.0 ; J2.0 v3(39,40.5) ; J2.0 58.3,38.05 v3(58.25,38) 58.3,37.95 J2.0 58.3,33.9 v3(59.3,33.9) ; J2.0 47.95,41.95 v3(48,42) 48.05,41.95 J2.0 53.95,41.95 v3(54,42) 54.05,41.95 J2.0
  C1F w1.27: v3(111.69,66.86) 111.18,66.35 C145.1 ; C126.2 v3(110.55,56.32) ; C146.1 v3(110.55,69.78) ; C143.2 v3(114.48,60.51) ; v3(111.69,59.24) 111.18,59.75 C127.2 ; C105.2 v3(27.15,53.34)
  C2 w1.27: U4.0 U4.0 ; U4.0 U4.0 ; U4.0 U4.0 ; U4.0 U4.0 ; U4.0 U4.0 ; U18.0 41.24,60.89 ; U18.0 44.55,64.19 ; U18.0 41.24,64.19 ; 41.24,60.89 41.24,64.19 ; 41.24,60.89 44.55,64.19 ; 41.24,64.19 44.55,64.19 ; U4.0 U4.0 ; U18.0 42.9,64.19 ; U18.0 41.24,62.54 ; U21.0 110.03,62.3 109.03,62.3 U21.0 U21.0